# Altium PCB Pleiades_Frouf.PcbDoc (part 11 of 12) (continued)
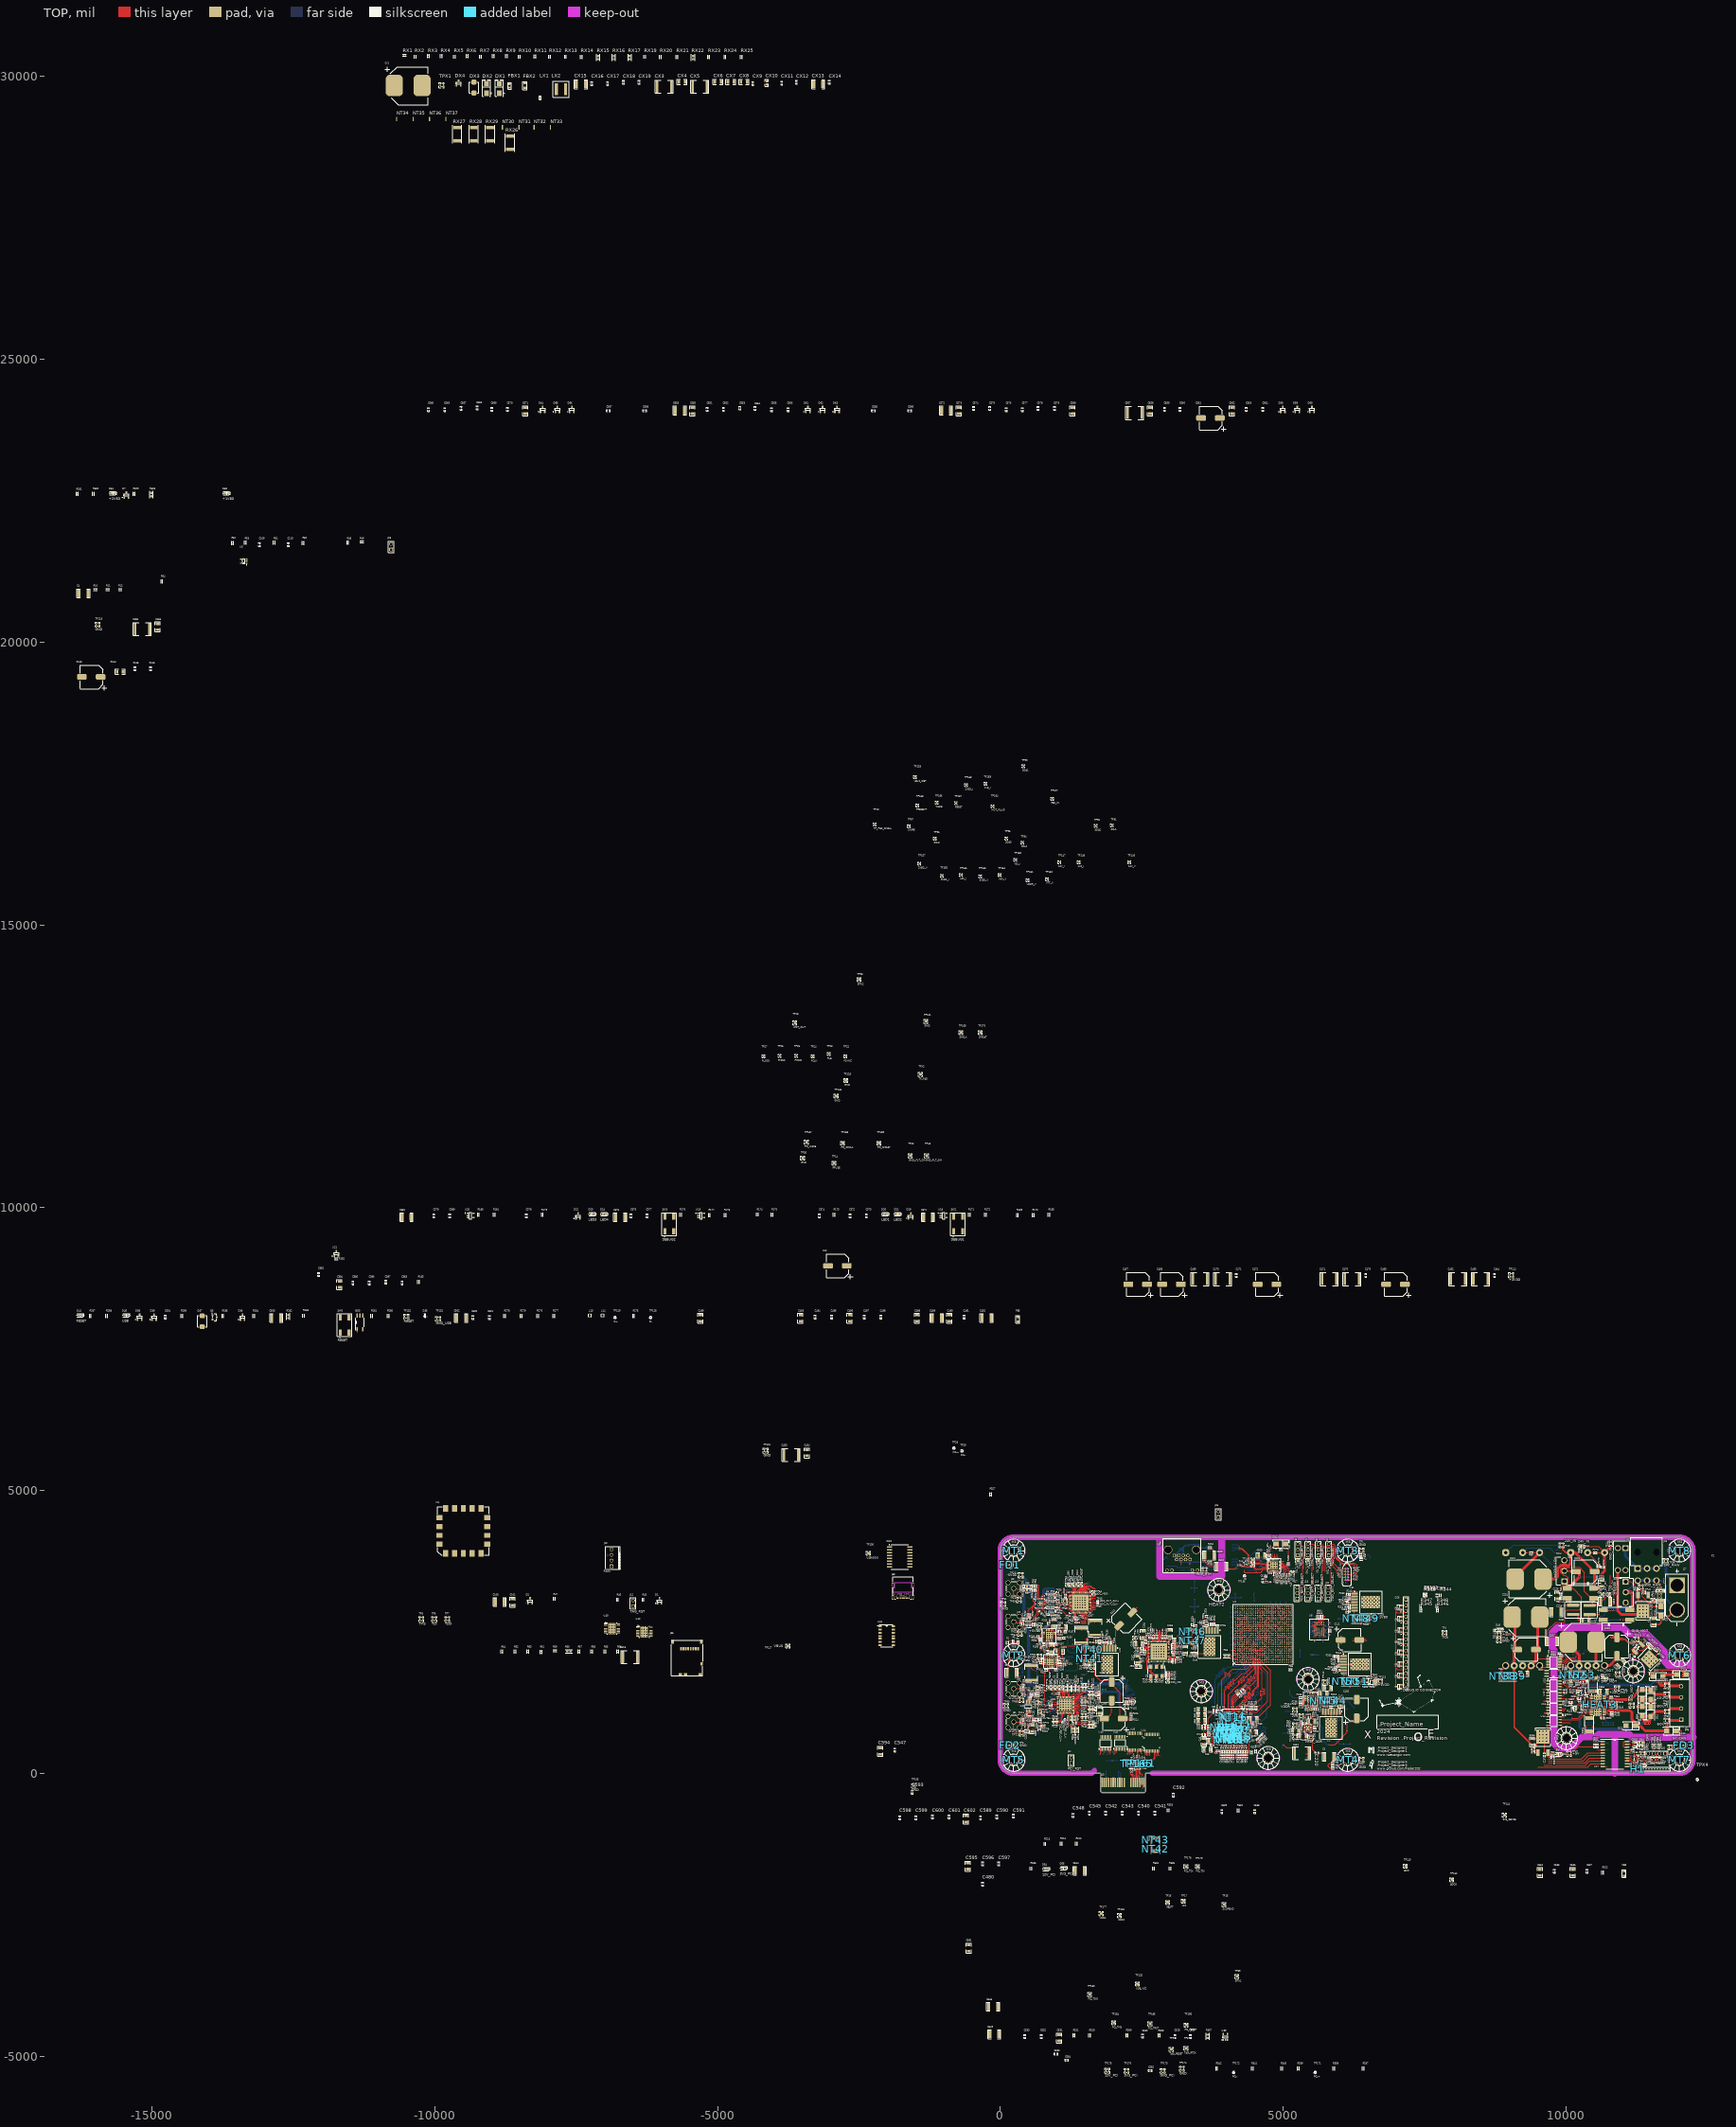
[diagram p0: TOP view]
## Nets (pads, with @x,y where several pads share a name; then routed paths per layer and width w, separated by ;. In a path a pad name is that pad's centre, name@x,y a point inside that pad or via, vN(x,y) a via of type N, cw(c..) or ccw(c..) an arc to the next point about the centre after c; other vN are vias at no path point) (continued)
  TOP w6: R249.1@5978.69,1972.46 5978.83,1972.32 6071.3,1972.32 U32.3@6071.43,1972.19
NetR250_1: R250.1 R251.1 R257.1 U32.5 | length 189.6
  TOP w6: R250.1@5908.79,1839.98 5937.35,1868.54 5937.35,1877.31 R251.1@5942.5,1882.46 R257.1@5981.33,1882.46 5986.46,1877.32 6066.3,1877.32 U32.5@6071.43,1872.19
NetR252_1: R252.1 R255.1 U30.5 | length 263.8
  TOP w6: R252.1@3627.5,2776.93 3627,2776.43 3627,2729.37 3624.75,2727.12 3624.75,2694.18 3622.5,2691.93 3644.5,2669.93 3644.5,2525.03 U30.5@3645,2524.53
NetR253_1: R253.1 R256.1 U31.5 | length 171.6
  TOP w6: R256.1@6121.16,3017.67 6121.16,2996.87 6142.96,2975.06 6174.41,2975.06 R253.1@6174.45,2975.02 ; R253.1@6174.73,2975.3 6262.82,2975.3 U31.5@6263.09,2975.58
NetR253_2: R253.2 R254.1 | length 38.7
  TOP w6: R254.1@6136.69,2937.78 6137.81,2938.9 6173.33,2938.9 R253.2@6174.45,2940.02
NetR259_1: R259.1 U30.2
NetR261_1: R261.1 U31.2 | length 158.2
  TOP w6: R261.1@6132.35,3062.96 6154.55,3085.16 6185.74,3085.16 6209.41,3108.83 6209.41,3111.5 6223.5,3125.58 U31.2@6263.09,3125.58
NetR263_1: R263.1 U32.2 | length 200.1
  TOP w6: R263.1@5893,2047.42 5916.81,2047.42 5930.31,2060.91 5989.99,2060.91 6028.72,2022.19 U32.2@6071.43,2022.19
NetR264_2: R264.2 U33.14 U34.1 | length 328
  TOP w8: R264.2@9996.69,1867.4 v1(9996.71,1898.78)
  TOP w10: U33.14@9894.37,1999.64 v1(9948.96,1999.64)
  BOT w10: v1(9996.71,1898.78) 9948.96,1946.54 v1(9948.96,1999.64) 9994.66,1999.64 10012.46,2017.44 U34.1@10062.95,2017.44
NetR270_2: R270.2 R274.1 SW4.3 U37.2 | length 888
  TOP w12: U37.2@10384.08,3901.1 U37.2@10385.63,3899.55 ; R274.1@10500.44,3898 10498.88,3899.55 U37.2@10385.63,3899.55 ; R270.2@10588.6,3682.5 10584.6,3686.5 10584.6,3700.59 U37.2@10385.63,3899.55
  BOT w12: SW4.3@9971.76,3763.74 10246.72,3763.74 U37.2@10384.08,3901.1
NetR271_2: R271.2 U37.6 | length 107.7
  TOP w25: U37.6@10384.08,1901.1 10384.08,1881.37 10428.99,1836.46 R271.2@10428.99,1812.05
NetR285_1: R285.1 R286.1 SW5.3
NetR296_1: R296.1 U38.18 | length 176.2
  TOP w6: U38.18@4940.47,3629.16 5006.24,3629.16 5016.49,3618.91 R296.1@5016.49,3522.97
NetR297_1: R297.1 U38.20 | length 271.3
  TOP w6: U38.20@4940.47,3668.53 5043.87,3668.53 5096.89,3615.51 R297.1@5096.89,3522.6
NetR298_1: R298.1 U38.16 | length 233.4
  TOP w6: U38.16@4912.91,3581.92 4912.91,3571.09 4922.95,3561.05 4964.16,3561.05 4976.33,3548.87 R298.1@4976.33,3398.89
NetR299_1: R299.1 U38.15 | length 78.8
  TOP w6: U38.15@4893.23,3581.92 4893.23,3553.46 4901.42,3545.27 4919.57,3545.27 R299.1@4934.17,3530.66
NetR300_1: R300.1 U38.14 | length 180.7
  TOP w6: U38.14@4873.55,3581.92 4873.55,3555.11 4894.8,3533.85 R300.1@4894.8,3409.97
NetR301_1: R301.1 U38.13 | length 53
  TOP w6: U38.13@4853.86,3581.92 4854.65,3581.13 4854.65,3530.33 R301.1@4855.43,3529.54
NetR302_1: R302.1 U38.19 | length 348.8
  TOP w6: U38.19@4940.47,3648.84 5018.9,3648.84 5057.23,3610.52 5057.23,3394.86 R302.1@5057.56,3394.53
NetR303_1: R303.1 U38.10 | length 79
  TOP w6: U38.10@4794.8,3581.92 4794.8,3539.28 v1@4795.94,3538.15
  BOT w6: v1(4795.37,3538.72) 4795.66,3538.43 4795.66,3504.5 R303.1@4795.94,3504.21
NetR303_2: R303.2 R304.1 | length 38.5
  BOT w6: R303.2@4795.94,3469.21 4796.14,3469.01 4796.14,3431.09 R304.1@4796.35,3430.89
NetR305_2: R305.2 R306.1 | length 72.9
  BOT w6: R306.1@3188.19,3587.72 R305.2@3261.06,3587.72
NetR307_1: R307.1 U39.1 U39.4
NetR308_2: R308.2 R309.1
NetR312_1: R312.1 U41.11
NetR336_1: R336.1 U46.16
NetR337_2: R337.2 U46.15
NetR338_2: R338.2 R341.1 U47.8
NetR339_2: R339.2 R342.1 U47.13
NetTP119_1: TP119.1 U34.4 U35.6 | length 784.9
  TOP w8: TP119.1@10084.48,1614.56 10134.39,1614.56 10179.5,1659.68 v1(10202.68,1659.68)
  IN1 w8: v1(10132.99,2097.59) 10159.07,2071.51 10159.07,1861.47 10140.45,1842.85 10140.45,1721.91 v1(10202.68,1659.68)
  BOT w8: U34.4@10062.95,2167.44 10128.3,2167.44 10132.99,2162.75 v1(10132.99,2097.59) ; v1(10202.68,1659.68) 10208.78,1653.58 U35.6@10208.78,1633.51
NetU33_11: U33.11 U34.8 | length 402
  TOP w10: U33.11@9894.37,1924.64 9983.62,1924.64 10040.39,1981.42 10147.02,1981.42 v1(10183.04,2017.44)
  BOT w10: v1(10183.04,2017.44) U34.8@10257.95,2017.44
NetU33_12: U33.12 U34.5 | length 510.7
  TOP w10: U33.12@9894.37,1949.64 9966.19,1949.64 10033.99,2017.44 10138.18,2017.44 10180.45,2059.71 v1(10180.45,2074.39)
  BOT w10: v1(10180.45,2074.39) 10180.45,2156.85 10191.04,2167.44 U34.5@10257.95,2167.44
NetU33_13: U33.13 U34.7 | length 402
  TOP w10: U33.13@9894.37,1974.64 9952.89,1974.64 10024.09,2045.84 v1(10131.03,2045.84)
  BOT w10: v1(10131.03,2045.84) 10208.85,2045.84 10230.45,2067.44 U34.7@10257.95,2067.44
NO_C0_15: J39.4 J39.5 R291.1 | length 105.7
  TOP w6: v1(3195.71,3703) J39.4@3195.71,3780
  BOT w6: R291.1@3195.71,3674.3 v1(3195.71,3703)
NO_C1_15: J39.7 J39.8 R292.1 | length 105.7
  TOP w6: v1(3355.71,3703) J39.8@3355.71,3780
  BOT w6: R292.1@3355.71,3674.3 v1(3355.71,3703)
ODT: NT12.2 U1.K1 U2.H7 | length 3065.4
  TOP w8.89: NT12.2@3959.47,811.8 v1(3960.25,811.02) U1.K1@3984.25,811.02 ; v1(4414.49,2218.74) 4432.44,2200.79 U2.H7@4433.07,2200.79
  IN2 w5.75: v1(3960.25,811.02) 3920,851.28 3920,864.16 3920,867.04 ccw(c3907.12,867.04) 3907.12,879.92 3855.52,879.92 cw(c3855.52,892.79) 3855.52,905.67 3912.25,905.67 ccw(c3912.25,918.55) 3912.25,931.43 3855.52,931.43 cw(c3855.52,944.3) 3855.52,957.18 3912.25,957.18 ccw(c3912.25,970.06) 3912.25,982.93 3855.52,982.93 cw(c3855.52,995.81) 3855.52,1008.69 3912.25,1008.69 ccw(c3912.25,1021.57) 3912.25,1034.44 3855.52,1034.44 cw(c3855.52,1047.32) 3855.52,1060.2 3912.25,1060.2 ccw(c3912.25,1073.08) 3912.25,1085.95 3855.52,1085.95 cw(c3855.52,1098.83) 3855.52,1111.71 3912.25,1111.71 ccw(c3912.25,1124.58) 3912.25,1137.46 3855.52,1137.46 cw(c3855.52,1150.34) 3855.52,1163.22 3912.25,1163.22 ccw(c3912.25,1176.09) 3912.25,1188.97 3855.52,1188.97 cw(c3855.52,1201.85) 3855.52,1214.73 3912.25,1214.73 ccw(c3912.25,1227.6) 3912.25,1240.48 3855.52,1240.48 cw(c3855.52,1253.36) 3855.52,1266.23 3912.25,1266.23 ccw(c3912.25,1279.11) 3912.25,1291.99 3857.85,1291.99 cw(c3857.85,1304.87) 3857.85,1317.74 3907.12,1317.74 ccw(c3907.12,1330.62) 3920,1330.62 3920,1487.95 3920,1861.55 4059.66,2001.21 4227.99,2001.21 4316.04,2089.26 4316.04,2146.99 4325.92,2156.88 ; 4325.96,2156.88 4356.76,2187.68 4383.43,2187.68 v1(4414.49,2218.74)
OE/RESET: R62.2 U2.AE4 U5.A3 | length 56.5
  TOP w6: v1(5085,2104.24) 5085,2100.04 U2.AE4@5102.36,2082.68 ; v1(5636.38,2417.06) U5.A3@5656,2436.68
OSC_125MHZ_5_N: TP20.1 U4.46 Y1.5 | length 541.5
  TOP w4.33: U4.46@2625,2043.46 2614.06,2043.46 2608.88,2048.64 2602.77,2048.64 2583.35,2029.23 2583.35,2004.74 2605.17,1982.92 2605.17,1844.86 2670.03,1780 2688.27,1780 2716.67,1751.6 2716.67,1738.92 2719.2,1736.39 2740.62,1736.39 Y1.5@2762,1715 TP20.1@2762,1636.8
OSC_125MHZ_5_P: TP19.1 U4.45 Y1.4 | length 554.2
  TOP w4.33: U4.45@2625,2063.15 2614.06,2063.15 2608.88,2057.97 2598.9,2057.97 2574.03,2033.09 2574.03,2000.88 2595.84,1979.06 2595.84,1840.99 2666.16,1770.67 2684.41,1770.67 2707.34,1747.74 2707.34,1738.92 2704.81,1736.39 2683.39,1736.39 Y1.4@2662,1715 2661.52,1714.51 TP19.1@2661.52,1639.76
PCI_GND: C540.2 C541.2 C544.1 C545.2 C546.1 C549.1 C550.2 C551.2 C552.2 C553.2 C554.2 C555.2 C556.2 C557.2 C558.2 C559.2 C560.2 C561.2 C562.2 C563.2 C564.2 C572.1 C573.2 C574.2 C575.2 C576.2 C581.2 C582.2 C583.2 C584.2 C585.2 C586.2 C587.2 C595.2 C596.2 C597.2 C598.2 C603.1 D52.2 D53.2 D54.2 D55.2 D56.3 D56.8 D57.4 D58.1 D59.1 D60.1 D61.1 D62.1 D63.1 D64.1 D65.1 D66.1 J40.A4 J40.A12 J40.A15 J40.A18 J40.B4 J40.B7 J40.B13 J40.B16 J40.B18 R342.2 TP173.1 U43.2 U43.8 U44.2 U44.4 U44.10 U45.2 U45.8 U46.2 U46.4 U46.10 U47.11 U47.14 U47.16 U47.20 | length 2173.6
  TOP w4.33: D57.4@2300.31,58.37 2300.31,-19.63 v7(2348.42,-67.74)
  TOP w6: v1(1802.5,360) U43.2@1802.5,428.7 ; J40.B4@1915.35,-161.42 1915.35,-72.7 v7(1915.35,-67.74) ; v1(1949.57,331.53) 1949.57,333.16 1952.5,336.09 U43.8@1952.5,428.7 ; J40.B7@2033.46,-161.42 2033.46,-72.7 v7(2033.46,-67.74) ; v1(2056.56,370) U45.2@2056.56,428.7 ; v1(2206.56,361.15) U45.8@2206.56,428.7 ; v1(2286,338.24) 2290.01,342.25 U46.2@2290.01,412.36 ; v1(2341.19,342.25) U46.4@2341.19,412.36 ; J40.B13@2348.43,-161.42 2348.43,-72.7 v7(2348.42,-67.74) ; D56.3@2431.58,74.84 2431.58,-32.78 2446.56,-47.76 v1(2461.68,-47.76) 2461.68,-156.56 J40.B16@2466.54,-161.42 ; U46.10@2494.73,412.36 2494.73,348.41 v1@2496.56,346.59 ; J40.B18@2545.28,-161.42 2545.28,-72.7 v1(2545.28,-61.42) ; v1(2585,295) 2590.43,300.43 U44.2@2590.43,391.55 ; v1(2641.61,295) U44.4@2641.61,391.55 ; U44.10@2795.16,391.55 2795.16,316.18 v1(2810.91,300.43)
  BOT w4.33: J40.A15@2427.17,-161.42 v1(2427.17,-61.18)
  BOT w6: v1(1716.54,360) 1717.68,361.15 1717.68,373.2 1744.84,400.36 U47.20@1744.84,422.36 ; v1(1847.2,370) U47.16@1847.2,422.36 ; D53.2@1877.5,230 1885,222.5 2074.06,222.5 D52.2@2081.56,215 ; v1(1897.5,331.09) 1897.94,331.53 1897.94,421.92 U47.14@1898.39,422.36 ; U47.11@1975.16,422.36 1975.16,400.36 1991.45,384.07 1991.45,371.15 v1(1992.6,370)
  other v1: 1975.16,222.5 2495.65,347.5
PCI_HSI0_16_N: C539.1 D56.5 D56.6 J40.A17 TP162.1 | length 386.5
  TOP w4.33: v1(2505.91,-61.18) 2505.91,-15 2496.56,-5.65 2477.86,-5.65 2477.86,13.04 2468.51,22.39 2468.51,33.21 2465.77,35.96 2465.77,64.74 2470.95,69.92 D56.5@2470.95,74.84 2470.95,79.76 2465.77,84.94 2465.77,95.06 2470.95,100.24 D56.6@2470.95,105.16 2470.95,133.14 TP162.1@2511.91,174.1
  BOT w4.14: J40.A17@2505.91,-161.42 2505.91,-72.7 v1(2505.91,-61.18)
PCI_HSI0_16_P: C538.1 D56.4 D56.7 J40.A16 TP161.1 | length 367.7
  TOP w4.33: TP161.1@2459.19,174.1 2459.19,171.65 2451.26,163.72 D56.7@2451.26,105.16 2451.26,100.24 2456.44,95.06 2456.44,84.94 2451.26,79.76 D56.4@2451.26,74.84 2451.26,69.92 2456.44,64.74 2456.44,32.1 2459.19,29.35 2459.19,-10.52 v1(2488.66,-40)
  BOT w4.33: J40.A16@2466.54,-161.42 2468.51,-159.44 2468.51,-60.14 v1(2488.66,-40)
PCI_HSO0_16_N: D56.2 D56.9 J40.B15 R333.2 TP165.1 U44.8 | length 909.8
  TOP w4.33: D56.2@2406.71,74.84 2406.71,95.06 2411.89,100.24 D56.9@2411.89,105.16 TP165.1@2411.89,171.65 2393.1,171.65 2390.57,174.19 2390.57,229.89 2405.68,245 2709.06,245 2735.84,271.78 2735.84,361.18 2743.98,369.31 U44.8@2743.98,391.55 ; D56.2@2411.89,74.84 2411.89,69.92 2406.71,64.74 2406.71,-41.37 2412.14,-46.8 2412.14,-78.37 2414.68,-80.9 2414.86,-80.9 2427.17,-93.21 J40.B15@2427.17,-161.42
PCI_HSO0_16_P: D56.1 D56.10 J40.B14 R333.1 TP163.1 U44.7 | length 925.4
  TOP w4.33: 2335.7,160 2338.7,157.01 2345.28,157.01 2392.21,110.08 D56.10@2392.21,105.16 2392.21,100.24 2397.39,95.06 D56.1@2397.39,74.84 ; TP163.1@2359.91,171.65 2378.7,171.65 2381.24,174.19 2381.24,233.75 2401.81,254.33 2705.2,254.33 2726.52,275.65 2726.52,361.18 2718.39,369.31 U44.7@2718.39,391.55 ; J40.B14@2387.8,-161.42 2387.8,-93.21 2400.11,-80.9 2400.28,-80.9 2402.82,-78.37 2402.82,-50.67 2397.39,-45.23 2397.39,64.74 2392.21,69.92 D56.1@2392.21,74.84
PCI_REFCLK_16_N: D57.5 J40.A14 R340.2 TP172.1 U46.8 | length 699.8
  TOP w4.33: v1(2387.79,-61.42) 2370.08,-43.7 2370.08,-39.78 2352.46,-22.16 2342.22,-22.16 2339.68,-19.63 D57.5@2339.68,58.37 2339.68,61.32 2350.75,72.39 2350.75,109.87 2356.4,115.51 2356.4,135.52 2348.41,143.52 2317.09,143.52 2309.64,150.97 2309.64,185.95 2435.42,311.73 2435.42,381.99 2443.55,390.12 U46.8@2443.55,412.36
  BOT w4.33: J40.A14@2387.8,-161.42 v1(2387.79,-61.42)
PCI_REFCLK_16_P: D57.3 J40.A13 R340.1 TP171.1 U46.7 | length 751.1
  TOP w4.33: v1(2356.91,-45.23) 2347.01,-35.33 2335.7,-35.33 2320,-19.63 2320,70.1 2300.31,89.78 D57.3@2300.31,111.52 2300.31,114.47 2311.38,125.54 2344.54,125.54 2347.08,128.07 2347.08,131.66 2344.54,134.19 2313.23,134.19 2300.32,147.1 2300.32,189.81 2426.09,315.59 2426.09,381.99 2417.96,390.12 U46.7@2417.96,412.36
  BOT w4.33: J40.A13@2348.43,-161.42 2348.43,-92.52 2370.08,-70.87 2370.08,-57 2358.31,-45.23 v1(2356.91,-45.23)
PCI_SMCLK_16: D65.2 J40.B5 TP188.1 U47.19 | length 93.7
  TOP w6: J40.B5@1954.72,-161.42 v7(1954.72,-67.74)
PCI_SMDAT_16: D66.2 J40.B6 TP189.1 U47.18 | length 93.7
  TOP w6: J40.B6@1994.09,-161.42 1994.09,-72.7 v7(1994.09,-67.74)
PCI_TCK: J17.3 U43.14
PCI_TCK_16: D58.2 J40.A5 TP178.1 U43.3
PCI_TDI: J19.3 U43.12
PCI_TDI_16: D59.2 J40.A6 TP179.1 U43.5
PCI_TDO: J20.3 U43.11
PCI_TDO_16: D60.2 J40.A7 TP180.1 U43.6
PCI_TMS: J18.3 U43.13
PCI_TMS_16: D61.2 J40.A8 TP184.1 U43.4
PLL_LOCK: TP27.1 U2.B20 U4.37 | length 276.2
  TOP w6: v1(4180,2732.68) 4180,2731.06 4196.85,2714.21 U2.B20@4196.85,2712.6
  TOP w10: 2478,2360.63 2529.35,2360.63 2544.02,2345.95 2544.02,2270.54 2593.93,2220.63 U4.37@2625,2220.63
PLL_SPI_CLK: TP24.1 U2.A18 U4.24 | length 228.6
  TOP w6: U2.A18@4157.48,2633.86 4175.12,2651.5 v1(4175.12,2655)
  TOP w10: U4.24@2811.02,2327.91 2811.02,2528.05
PLL_SPI_LE: TP23.1 U2.B18 U4.25 | length 204.7
  TOP w6: U2.B18@4196.85,2633.86 4218.82,2611.89 v1(4218.82,2610.97)
  TOP w10: U4.25@2791.34,2327.91 2791.34,2500.64
PLL_SPI_MISO: TP26.1 U2.A19 U4.22 | length 194.7
  TOP w6: U2.A19@4157.48,2673.23 4157.48,2676.3 v1(4175.12,2693.94)
  TOP w10: U4.22@2850.39,2327.91 2850.39,2494.64
PLL_SPI_MOSI: TP25.1 U2.A20 U4.23 | length 198.8
  TOP w10: U4.23@2830.71,2327.91 2830.71,2526.75
PROGRAM_B: R63.2 R64.1 R65.1 R275.2 R283.1 U2.AF3 | length 29.6
  TOP w6: v1(5120,2062.36) 5122.68,2062.36 U2.AF3@5141.73,2043.31
PROM_D0: U2.AD20 U5.H6 | length 52.4
  TOP w5.95: U2.AD20@5062.99,2712.6 5082.61,2732.21 v1(5082.61,2732.52) ; v1(5545.81,2674.98) 5545.81,2672.86 U5.H6@5561.52,2657.15
PROM_D1: U2.AE17 U5.H5 | length 89.4
  TOP w5.95: U2.AE17@5102.36,2594.49 5120,2576.85 v1(5120,2576.14) ; v1(5549.82,2702.98) 5549.82,2701.66 5593.01,2658.47 U5.H5@5593.01,2657.15
PROM_D2: U2.AF17 U5.E5 | length 48.2
  TOP w5.95: U2.AF17@5141.73,2594.49 5160,2576.22 v1(5160,2576.14) ; v1(5577.26,2546.92) U5.E5@5593.01,2562.67
PROM_D3: U2.AD10 U5.D5 | length 49
  TOP w5.95: U2.AD10@5062.99,2318.9 5063.1,2318.9 v1(5082.61,2299.39) ; U5.D5@5593.01,2531.17 5606.45,2544.61 v1(5606.45,2546.92)
PROM_D4: U2.AF10 U5.C5 | length 46.7
  TOP w5.95: U2.AF10@5141.73,2318.9 5156.51,2304.12 v1(5160,2304.12) ; U5.C5@5593.01,2499.67 v1(5608.78,2483.9)
PROM_D5: U2.AE7 U5.B5 | length 51.2
  TOP w5.95: U2.AE7@5102.36,2200.79 v1(5122.68,2180.47) v1@5122.68,2180 ; v1(5577.43,2452.6) U5.B5@5593.01,2468.18
PROM_D6: U2.AF7 U5.A5 | length 51.4
  TOP w5.95: U2.AF7@5141.73,2200.79 5142.01,2200.79 v1(5160,2218.78) ; v1(5574.83,2418.5) U5.A5@5593.01,2436.68
PROM_D7: U2.AE9 U5.A6 | length 53.2
  TOP w5.95: U2.AE9@5102.36,2279.53 5102.36,2281.75 v1(5120,2299.39) ; v1(5543.1,2418.27) U5.A6@5561.52,2436.68
PROM_TCK: J6.2 TP4.1 U2.E21 U5.H3 | length 466.5
  TOP w6: v1(4298.76,2770.21) 4314.96,2754.01 U2.E21@4314.96,2751.97 ; J6.2@5260,3953.3 5315.85,3953.3 5363.71,3905.44 5363.71,3611.72 ; v1@5638.09,2641.69 5640.54,2641.69 U5.H3@5656,2657.15
  other v1: 5639.32,2641.69
PROM_TDO: J9.2 TP7.1 U5.E6 | length 430.2
  TOP w6: v1(5543.1,2553.13) 5549.82,2553.13 5559.35,2562.67 U5.E6@5561.52,2562.67 ; 5740.45,3571.49 5745,3576.04 5745,3890.28 J9.2@5806.66,3951.94
PROM_TMS: J7.2 TP5.1 U2.C23 U5.E2 | length 443.6
  TOP w6: U2.C23@4236.22,2830.71 4251.93,2846.42 v1(4251.93,2849.76) ; J7.2@5440,3953.3 5542.41,3850.89 5542.41,3601.62 ; U5.E2@5687.5,2562.67 5687.79,2562.67 v1(5704.5,2579.37)
RCA_12: C351.1 R161.1 U13.6 | length 271.1
  TOP w8: C351.1@10252.5,1330.81 10253.84,1329.47 10253.84,1291.79 R161.1@10255.18,1290.45 10278.87,1290.45 10338.24,1231.08 10396.61,1231.08 10404.07,1238.54 10456.06,1238.54 U13.6@10456.79,1239.27
RCB_12: C350.1 R160.1 U13.9 | length 444.9
  TOP w8: v1(10098.67,1194.55) 10098.8,1194.68 10098.8,1222.59 R160.1@10098.92,1222.71 C350.1@10098.92,1260.02 ; v1(10401.26,1152.89) 10410.87,1162.5 U13.9@10456.79,1162.5
  IN1 w8: v1(10098.67,1194.55) 10111.44,1181.78 10372.36,1181.78 v1(10401.26,1152.89)
RD_15_+: T1.6 U38.7 | length 793.7
  TOP w4.33: v1(4221.85,3711.55) 4231.47,3711.55 4234.01,3709.01 4234.01,3705.43 4226.24,3697.66 4226.24,3684.65 4261.09,3649.8 4464.82,3649.8 4505.03,3609.59 4618.62,3609.59 4643.37,3634.34 4721.46,3634.34 4731.55,3634.34 4736.73,3629.16 U38.7@4747.56,3629.16
  BOT w4.33: T1.6@4090,3790 4183.9,3790 4221.85,3752.04 v1(4221.85,3711.55)
RD_15_-: T1.8 U38.6 | length 767.4
  TOP w4.33: v1(4251.93,3720.87) 4243.33,3712.28 4243.33,3701.56 4235.57,3693.8 4235.57,3688.51 4264.96,3659.12 4468.69,3659.12 4508.89,3618.91 4614.76,3618.91 4639.51,3643.67 4725.32,3643.67 4731.55,3643.66 4736.73,3648.84 U38.6@4747.56,3648.84
  BOT w4.33: T1.8@4090,3690 4090.41,3689.59 4220.65,3689.59 v1(4251.93,3720.87)
RDCT_15: C506.1 T1.7 | length 123
  BOT w6: T1.7@4090,3740 4176.87,3740 4184.72,3732.15 C506.1@4184.72,3707.09
REF_CLK_N: TP78.1 U2.R1 U10.7 | length 29.5
  TOP w6: U2.R1@4708.66,1964.57 4728.47,1984.37 v1(4729.92,1984.37)
REF_CLK_P: TP77.1 U2.R2 U10.6 | length 37.6
  TOP w6: U2.R2@4708.66,2003.94 4721.45,2016.73 4721.45,2020.97 4731.67,2031.19 v1(4731.67,2031.97)
REFCLK_N: U2.A4 U46.13
REFCLK_P: U2.B4 U46.14
RESET: TP49.1 U2.AB3 U8.12 | length 182.3
  TOP w6: U8.12@1342.28,3192.94 1342.28,3262.17 1421.02,3340.91 TP49.1@1421.02,3342.62
REV_SEL0: R77.1 U2.W17 U5.G3 | length 168.8
  TOP w6: U2.W17@4866.14,2594.49 4885,2575.63 v1(4885,2575) ; U5.G3@5656,2625.66 5657.36,2625.66 5671.79,2640.08 5671.79,2732.91 5682.5,2743.62 5682.5,2743.88 5689.5,2750.88 R77.1@5689.5,2752.5
REV_SEL1: R78.1 U2.V16 U5.G4 | length 184.9
  TOP w6: U2.V16@4826.77,2555.12 v1(4848.78,2533.11) v1@4849.8,2533.11 ; R78.1@5613.01,2751.83 5634,2730.84 5634,2697.37 5608.66,2672.03 v1(5608.66,2640.08) 5609.37,2640.08 5623.8,2625.66 U5.G4@5624.51,2625.66
RFUSE: J23.2 TP14.1 U2.AA20 | length 26.7
  TOP w6: U2.AA20@4944.88,2712.6 4962.48,2695 v1(4964.33,2695)
RST_ETH_PHY: D43.2 U2.N19 | length 28.3
  TOP w6: U2.N19@4629.92,2673.23 4629.92,2673.63 v1(4649.63,2693.33)
RX_15_+: D44.1 D44.10 J39.1 T1.11 | length 902.3
  BOT w4.33: D44.1@3170,3980.31 D44.10@3170,3950 3170,3945.08 3075.71,3850.79 J39.1@3075.71,3850 3078.81,3850 3111.64,3817.16 3131.1,3817.16 3158.55,3789.72 3158.55,3764.61 3180.32,3742.84 3626.17,3742.84 3630,3746.67 3669.55,3786.21 3726.21,3786.21 T1.11@3730,3790
RX_15_-: D44.2 D44.9 J39.2 T1.9 | length 885.3
  BOT w4.33: D44.2@3189.68,3980.31 D44.9@3189.68,3950 3189.68,3945.08 3115.71,3871.1 J39.2@3115.71,3780 3126.36,3769.35 3145.36,3769.35 3149.22,3765.49 3149.22,3760.74 3176.45,3733.51 3628.57,3733.51 3631.46,3730.62 3668.92,3693.16 3726.84,3693.16 T1.9@3730,3690
RXC: R302.2 U2.W25
RXCT_15: R293.1 T1.10 | length 107.5
  TOP w6: v1(3655,3740) R293.1@3687.5,3740
  BOT w6: v1(3655,3740) T1.10@3730,3740
RXD: U2.W18 U17.5 | length 1036.1
  TOP w6: U2.W18@4866.14,2633.86 4885,2615 v1@4885,2611.89
  TOP w12: 9690.86,253.96 10274.23,253.96 10384.78,364.52 U17.5@10651.42,364.52
  other v1: 4885,2613.44
RXD0: R298.2 U2.V23 | length 54.2
  TOP w6: U2.V23@4826.77,2830.71 4828.07,2830.71 v1(4848.78,2810) ; v1(4976.33,3340.26) R298.2@4976.33,3363.89
RXD1: R299.2 U2.W24 | length 71.2
  TOP w6: U2.W24@4866.14,2870.08 4866.14,2872.32 v1(4885,2891.18) ; v1(4934.17,3453.37) R299.2@4934.17,3495.66
RXD2: R300.2 U2.U25 | length 61.7
  TOP w6: U2.U25@4787.4,2909.45 4805,2891.85 v1(4805,2890) ; R300.2@4894.8,3374.97 4894.8,3340.85 v1(4895.4,3340.26)
RXD3: R301.2 U2.U26 | length 53.7
  TOP w6: U2.U26@4787.4,2948.82 4787.4,2947.6 v1(4805,2930) ; v1(4855.43,3466.96) R301.2@4855.43,3494.54
RXDV: R296.2 U2.P21
RXER: R297.2 U2.P22
RZQ_8: R66.1 U2.C4 | length 225.7
  TOP w6: R66.1@4031.14,2073.37 4108.75,2073.37 4138.32,2102.93 4215.96,2102.93 4234.95,2083.95 U2.C4@4236.22,2082.68
SCL1: R172.2 TP91.1 U2.AA11 U18.4
SCL2: R175.2 TP94.1 U2.R25 U19.4 | length 28.7
  TOP w6: U2.R25@4708.66,2909.45 4726.27,2891.84 v1(4726.27,2888.07)
SCL3: R181.2 TP96.1 U2.AC16 U20.4
SD_CLK: J36.5 R348.2 U2.R19 | length 30.6
  TOP w6: U2.R19@4708.66,2673.23 4708.66,2672.83 v1(4730,2651.5)
SD_CMD: J36.3 R347.2 U2.R17 | length 29.4
  TOP w6: U2.R17@4708.66,2594.49 4710.51,2594.49 v1(4730,2575)
SD_D0: J36.7 R343.2 U2.U24 | length 26.4
  TOP w6: U2.U24@4787.4,2870.08 4802.18,2855.3 v1(4802.18,2849.76)
SD_D1: J36.8 R344.2 U2.R22 | length 27.6
  TOP w6: U2.R22@4708.66,2791.34 4708.66,2790.64 v1(4727.72,2771.58)
SD_D2: J36.1 R345.2 U2.R21 | length 29.4
  TOP w6: U2.R21@4708.66,2751.97 4710.55,2751.97 v1(4730,2732.52)
SD_D3: J36.2 R346.2 U2.P17 | length 29.7
  TOP w6: U2.P17@4669.29,2594.49 4669.29,2594.91 v1(4690,2615.62)
SD_DET: J36.DL J36.DS R183.2 U2.R18 | length 29.1
  TOP w6: U2.R18@4708.66,2633.86 4708.66,2631.66 v1(4727.72,2612.6)
SDA1: R171.2 TP90.1 U2.AB11 U18.5
SDA2: R174.2 TP92.1 U2.R26 U19.5 | length 29.1
  TOP w6: U2.R26@4708.66,2948.82 4711.18,2948.82 v1(4730,2930)
SDA3: R180.2 TP95.1 U2.AD17 U20.5
SDIO: TP74.1 U2.R4 U10.31 | length 197.8
  TOP w6: TP74.1@1086.26,1518.36 1086.26,1480.24 1145.32,1421.19 U10.31@1145.32,1345
SEN: TP52.1 U2.R7 U8.15 | length 182.2
  TOP w6: TP52.1@1204.6,3342.62 1283.23,3263.99 U8.15@1283.23,3192.94
SENSE_MISO: U41.34
SENSE_MOSI: U41.33
SENSE_SCLK: U41.32
SERIAL_NO: R182.2 TP97.1 U2.P26 U21.1
SILENT: U2.AB21 U17.6 | length 1029.5
  TOP w6: U2.AB21@4984.25,2751.97 5001.61,2769.33 v1(5001.61,2770)
  TOP w12: 9685.94,220.75 10309.83,220.75 10403.61,314.52 U17.6@10651.42,314.52
SMA_IN1_10: D6.1 J28.1 R96.1 R98.1 TP60.1 | length 527.6
  TOP w5.95: TP60.1@332.57,3070.68 236.22,3167.04 J28.1@236.22,3267.72 246.63,3257.3 404.27,3257.3 R98.1@409.43,3252.15 409.43,3298.75 D6.1@410.74,3300.07 468.9,3300.07 R96.1@472.01,3303.18
SMA_IN2_10: D7.1 J29.1 R105.1 R107.1 TP64.1 | length 545.9
  TOP w5.95: TP64.1@347.57,2471.91 236.22,2583.26 J29.1@236.22,2677.17 250.73,2662.66 397.82,2662.66 R107.1@402.97,2657.5 402.97,2704.98 407.87,2709.87 D7.1@409.43,2709.87 411.92,2712.36 456.05,2712.36 R105.1@467.35,2723.66
SMA_OUT1_11: D8.1 J30.1 R113.2 TP68.1 | length 539.9
  TOP w5.95: TP68.1@375,1300 365.95,1290.95 300.65,1290.95 236.22,1355.37 J30.1@236.22,1496.06 363.37,1496.06 403.52,1536.21 D8.1@409.43,1536.21 R113.2@409.43,1496.06
SMA_OUT2_11: D9.1 J31.1 R120.2 TP72.1 | length 557.7
  TOP w5.95: TP72.1@380,710 264.33,710 236.22,738.11 J31.1@236.22,905.51 388.91,905.51 R120.2@409.43,885 D9.1@409.43,938.22
SMCLK_PCI: TP169.1 U2.U22 U47.2 | length 29.3
  TOP w6: U2.U22@4787.4,2791.34 4807.16,2771.58 v1@4807.16,2770.21
  other v1: 4807.16,2770.9
SMDAT_PCI: TP170.1 U2.U17 U47.3 | length 26.8
  TOP w6: U2.U17@4787.4,2594.49 4790.19,2594.49 v1(4807.16,2577.52)
SR_12: R155.1 U13.16 U15.6 | length 1486
  TOP w8: U15.6@9895.07,1531.99 v1(9951.65,1531.99) ; U13.16@10677.26,1060.14 10725.31,1060.14 10748.63,1036.81 v1(10769.33,1036.81) 10770.41,1036.81 10778.18,1029.04 10794.64,1029.04 R155.1@10795.14,1028.54
  IN1 w8: v1(9951.65,1531.99) 9971.91,1552.25 10579.82,1552.25 10600.08,1531.99 10668.13,1531.99 10803.24,1396.88 10803.24,1070.73 v1(10769.33,1036.81)
SR_ISO: U2.N21 U15.3 | length 28.2
  TOP w6: U2.N21@4629.92,2751.97 4648.16,2770.21 v1(4650.6,2770.21)
STBY: U2.AB22 U17.8 | length 1096.2
  TOP w6: v1(4960,2770.21) 4981.13,2791.34 U2.AB22@4984.25,2791.34
  TOP w12: 9617.56,144.62 10346.16,144.62 10416.55,215 10438.57,215 10439.05,214.52 U17.8@10651.42,214.52
STEP_12: U13.19 U16.7 | length 904.1
  TOP w8: U16.7@9895.61,1164.09 9914.31,1164.09 9937.39,1141.01 v1(9955.78,1141.01) ; U13.19@10677.26,1136.91 10721.6,1136.91 v1(10728.73,1144.03)
  IN1 w8: v1(9955.78,1141.01) 9957.22,1139.58 10233.47,1139.58 10238.92,1134.12 10512.46,1134.12 10515.38,1137.04 10719.04,1137.04 10726.04,1144.03 v1(10728.73,1144.03)
STEP_ISO: U2.M23 U16.2 | length 26.2
  TOP w6: U2.M23@4590.55,2830.71 4606.26,2846.42 v1(4610.23,2846.42)
SUSPEND: R53.2 TP15.1 U2.AD23 | length 24.3
  TOP w6: U2.AD23@5062.99,2830.71 5077.28,2845 v1(5081.34,2845)
TAG_TCK_7: J1.4 J6.3 | length 1283.5
  TOP w6: J6.3@5260,4053.3 5314.26,4053.3 5365.9,4001.66 5484.42,4001.66 5493.42,3992.66 5846.55,3992.66 5875,3964.21 5875,3668.84 5953.29,3590.55 5953.29,3546.82 6033.89,3466.22 J1.4@6101.73,3466.22
TAG_TDI_7: J1.8 J8.3 | length 1103.4
  TOP w6: J8.3@5625,4051.42 5677.78,4051.42 5718.55,4010.66 5873.6,4010.66 5910,3974.25 5910,3826.73 6041.2,3695.54 6230.38,3695.54 6263.48,3662.43 6263.48,3557.97 6221.73,3516.22 6167.84,3516.22
TAG_TDO_7: J1.6 J9.3 | length 1164.1
  TOP w6: J9.3@5806.66,4051.94 5811.13,4047.47 5888.18,4047.47 5925,4010.66 5925,3835 6040,3720 6260,3720 6308.38,3671.62 6308.38,3433.51 6304.87,3430 6219.94,3430 6206.16,3416.22 J1.6@6151.73,3416.22
TAG_TMS_7: J1.2 J7.3 | length 1012.6
  TOP w6: J7.3@5440,4053.3 5533.71,4053.3 5585.35,4001.66 5857.16,4001.66 5895,3963.82 5895,3706.47 6031.27,3570.2 J1.2@6101.73,3570.2
TCK_USB: J17.1 M1.10
TD_15_+: T1.1 U38.5 | length 888.2
  TOP w4.33: v1(4229.94,4003.59) 4230.49,4003.04 4230.49,3994.03 4228.18,3991.73 4228.18,3980.42 4239.61,3968.99 4270.82,3968.99 4383.6,3856.2 4383.6,3753.26 4417.41,3719.45 4479.02,3719.45 4481.18,3717.29 4593.16,3717.29 4613.02,3697.43 4668.22,3697.43 4697.12,3668.53 U38.5@4747.56,3668.53
  BOT w4.33: T1.1@4090,4040 4192.16,4040 4228.57,4003.59 v1(4229.94,4003.59)
TD_15_-: T1.3 U38.4 | length 900.6
  TOP w4.33: v1(4250,3992.34) 4249.5,3991.84 4241.49,3991.84 4237.51,3987.86 4237.51,3984.28 4243.48,3978.31 4274.68,3978.31 4392.93,3860.06 4392.93,3757.12 4421.27,3728.77 4482.89,3728.77 4485.04,3726.62 4597.03,3726.62 4616.89,3706.76 4672.08,3706.76 4700.24,3678.6 4703.83,3678.6 4713.44,3688.21 U38.4@4747.56,3688.21
  BOT w4.33: T1.3@4090,3940 4094.89,3944.89 4136.13,3944.89 4162.86,3971.62 4229.28,3971.62 v1(4250,3992.34)
TDCT_15: C505.1 T1.2 | length 95.2
  BOT w6: T1.2@4090,3990 4091.25,3988.75 C505.1@4184.72,3988.75
TDI: J8.2 TP6.1 U2.F20 | length 479.7
  TOP w6: U2.F20@4354.33,2712.6 4354.92,2712.6 4373.51,2731.18 v1(4374.1,2731.18) ; J8.2@5625,3951.42 5683.58,3951.42 5715.85,3919.15 5715.85,3571.09
TDI_USB: J19.1 M1.12
TDO_USB: J20.1 M1.11
TMS_USB: J18.1 M1.13
TX_15_+: D44.4 D44.7 J39.3 T1.16 | length 740.4
  BOT w4.33: J39.3@3155.71,3850 3229.06,3923.35 D44.7@3229.06,3950 D44.4@3229.06,3980.31 3229.06,3995.31 3265.9,4032.16 3322.16,4032.16 3339.33,4049.33 3505.76,4049.33 3560.43,3994.66 3629.02,3994.66 3670.06,4035.7 3725.7,4035.7 T1.16@3730,4040
TX_15_-: D44.5 D44.6 J39.6 T1.14 | length 768.8
  BOT w4.33: J39.6@3275.71,3780 3275.71,3862.56 3248.74,3889.53 D44.6@3248.74,3950 3248.74,3997.28 3274.29,4022.84 3326.03,4022.84 3343.19,4040 3501.9,4040 3556.56,3985.34 3628.19,3985.34 3669.65,3943.88 3726.12,3943.88 T1.14@3730,3940
TXC: U2.W26 U38.22 | length 102.5
  TOP w6: U2.W26@4866.14,2948.82 v1(4885,2930) ; U38.22@4940.47,3707.9 5014.83,3707.9 5015.86,3706.87
TXCT_15: R294.1 T1.15 | length 107.3
  TOP w6: v1(3656.25,3990) 3656.88,3989.38 3686.88,3989.38 R294.1@3687.5,3988.75
  BOT w6: v1@3655,3988.75 v1(3656.25,3990) T1.15@3730,3990
TXD: U2.AF25 U17.7 | length 1025.2
  TOP w6: U2.AF25@5141.73,2909.45 5160,2891.18 v1(5160,2888.07)
  TOP w12: 9688.09,185 10338.99,185 10418.51,264.52 U17.7@10651.42,264.52
TXD0: U2.T24 U38.24 | length 99.4
  TOP w6: U2.T24@4748.03,2870.08 4767.29,2850.82 v1(4767.29,2849.76) ; U38.24@4940.47,3747.27 5007.98,3747.27 5010.55,3744.7
TXD1: U2.T26 U38.25 | length 79.4
  TOP w6: U2.T26@4748.03,2948.82 4748.03,2946.97 v1(4765,2930) ; U38.25@4912.91,3774.83 4912.91,3828.37
TXD2: U2.Y24 U38.26 | length 131.4
  TOP w6: U38.26@4893.23,3774.83 4893.23,3873.37 ; U2.Y24@4905.51,2870.08 4925.83,2849.76 v1(4930,2849.76)
TXD3: U2.Y26 U38.27 | length 79.4
  TOP w6: U38.27@4873.54,3774.83 4873.54,3828.37 ; U2.Y26@4905.51,2948.82 4905.51,2946.97 v1(4922.48,2930)
TXEN: U2.V24 U38.23 | length 77
  TOP w6: U2.V24@4826.77,2870.08 v1(4847.09,2849.76) v1@4849.8,2849.76 ; U38.23@4940.47,3727.58 4983.97,3727.58 4985.43,3726.12
TXENABLE: U2.N6 U10.30 | length 39.6
  TOP w6: U2.N6@4629.92,2161.42 4647.2,2178.69 4660.73,2178.69 v1(4661.88,2179.84)
TXER: U2.V26 U38.31 | length 74.3
  TOP w6: U38.31@4794.8,3774.83 4794.8,3823.66 ; U2.V26@4826.77,2948.82 4826.77,2946.07 v1(4842.85,2930)
UD_14_+: D35.5 ISO2.7 L13.2 TP129.1
UD_14_-: D35.3 ISO2.6 L13.3 TP128.1